# Altium PCB PCB1.PcbDoc (part 1 of 2) (continued)
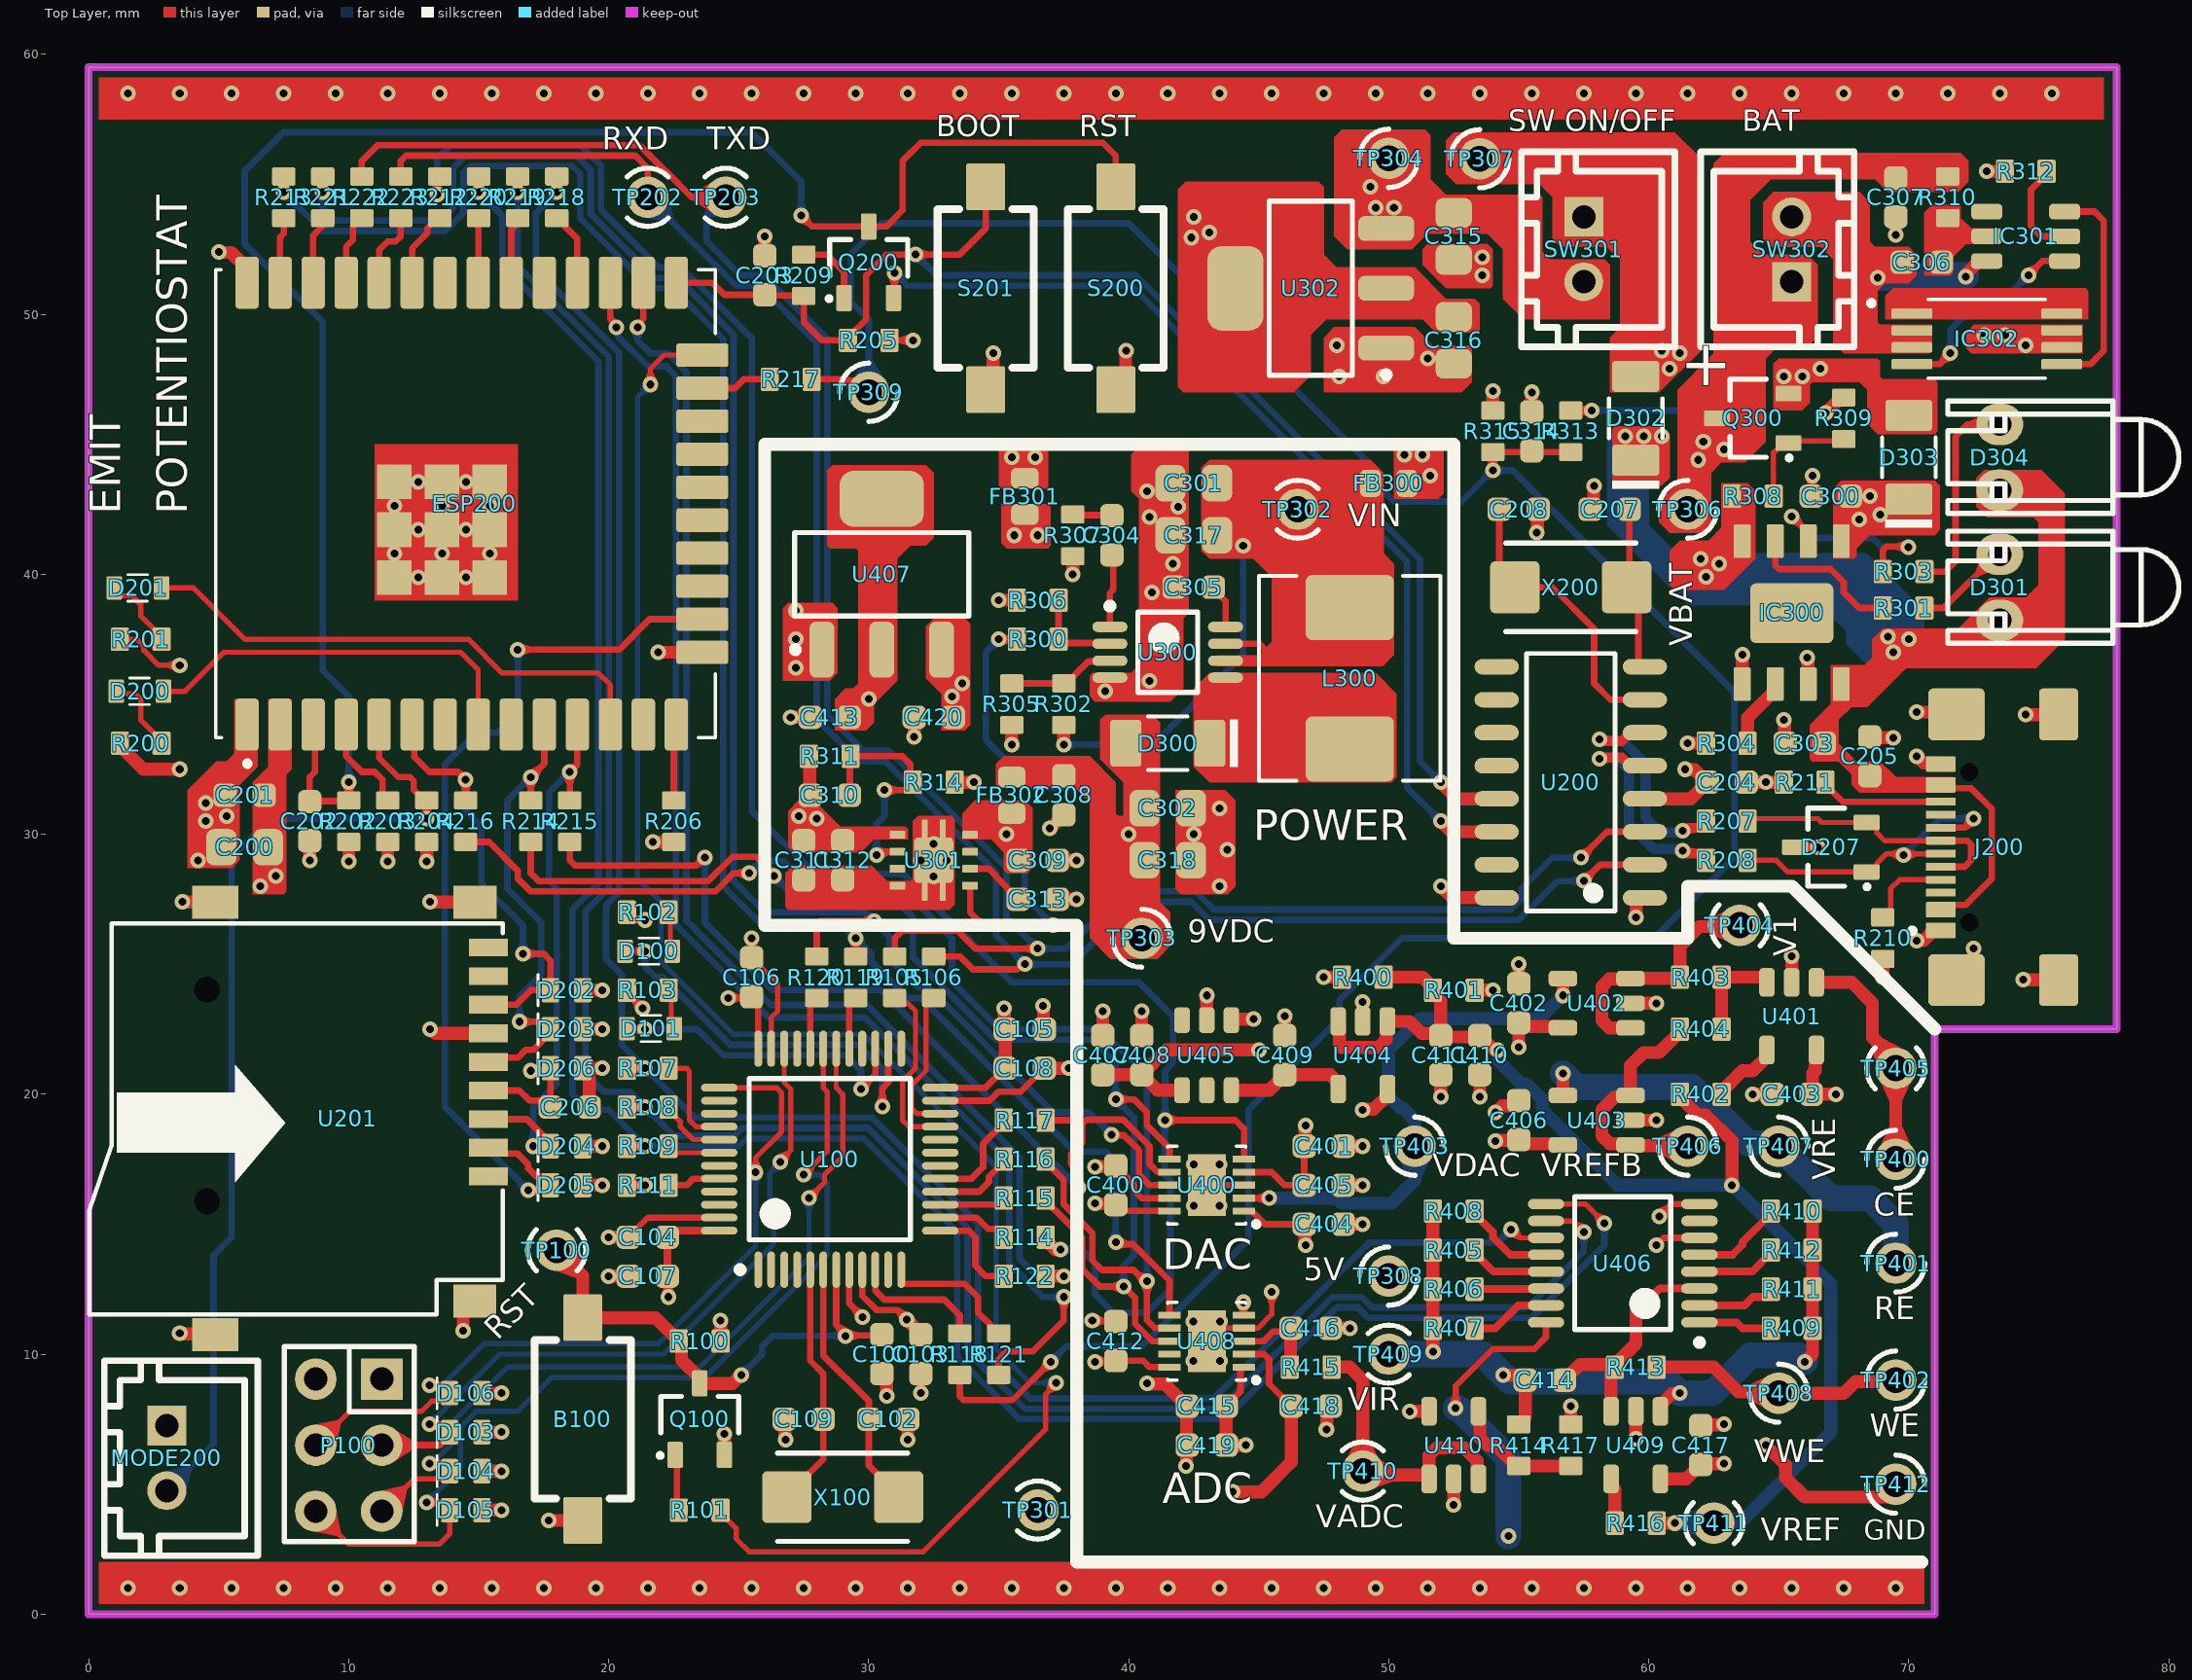
[diagram p0: Top Layer view]
## Classes and differential pairs
component class MCU: B100 C100 C102 C103 C104 C105 C106 C107 C108 C109 D100 D101 D103 D104 D105 D106 P100 Q100 R100 R101 R102 R103 R105 R106 R107 R108 R109 R111 R114 R115 R116 R117 R118 R119 R120 R121 R122 TP100 U100 X100
differential pair class 90Ohm: D
net class PWR: 5VDC 9VDC NetC301_2 NetC309_2 NetD302_2 USB_VIN VBAT VDD_3V3 VIN_DC
component class "POWER SUPPLY": C300 C301 C302 C303 C304 C305 C306 C307 C308 C309 C310 C311 C312 C313 C314 C315 C316 C317 C318 D300 D301 D302 D303 D304 FB300 FB301 FB302 IC300 IC301 IC302 L300 Q300 R300 R301 R302 R303 R304 R305 R306 R307 R308 R309 R310 R311 R312 R313 R314 R315 S300 SW301 SW302 TP301 TP302 TP303 TP304 TP306 TP307 TP308 TP309 U300 U301 U302
component class ESP32: C200 C201 C202 C203 C204 C205 C206 C207 C208 D200 D201 D202 D203 D204 D205 D206 D207 ESP200 J200 MODE200 Q200 R200 R201 R202 R203 R204 R205 R206 R207 R208 R209 R210 R211 R212 R213 R214 R215 R216 R217 R218 R219 R220 R221 R222 R223 S200 S201 TP202 TP203 U200 U201 X200 XT200
component class ANALOG: AGND C400 C401 C402 C403 C404 C405 C406 C407 C408 C409 C410 C411 C412 C413 C414 C415 C416 C417 C418 C419 C420 R400 R401 R402 R403 R404 R405 R406 R407 R408 R409 R410 R411 R412 R413 R414 R415 R416 R417 TP400 TP401 TP402 TP403 TP404 TP405 TP406 TP407 TP408 TP409 TP410 TP411 U400 U401 U402 U403 U404 U405 U406 U407 U408 U409 U410
differential pair D: +D_P -D_N

## Components (designator, comment, footprint, x,y, rotation, side; value= is the part's Value field where it differs from the comment)
B100 "Button 3x4x2.5" BUTTON_2P_SMD 19,7.5 r90 top
C100 "100nF" CAP0603-M 30.5,10 r90 top
C102 "18pF" CAP0603-M 30.75,7.5 r180 top
C103 "10uF" CAP0603-M 32,10 r90 top
C104 "100nF" CAP0603-M 21.5,14.5 r0 top
C105 "100nF" CAP0603-M 36,22.5 r180 top
C106 "100nF" CAP0603-M 25.5,24.5 r270 top
C107 "100nF" CAP0603-M 21.5,13 r0 top
C108 "100nF" CAP0603-M 36,21 r180 top
C109 "18pF" CAP0603-M 27.5,7.5 r0 top
C200 "10uF" C0805 6,29.5 r0 top
C201 "100nF" CAP0603-M 6,31.5 r0 top
C202 "100nF" CAP0603-M 8.5,30.5 r90 top
C203 "100nF" CAP0603-M 26,51.5 r270 top
C204 "100nF" CAP0603-M 63,32 r180 top
C205 "100nF" CAP0603-M 68.5,33 r270 top
C206 "100nF" CAP0603-M 18.5,19.5 r180 top
C207 "18pF" CAP0603-M 58.5,42.5 r180 top
C208 "18pF" CAP0603-M 55,42.5 r0 top
C300 "100nF" CAP0603-M 67,43 r0 top
C301 "10uF" C0805 42.5,43.5 r0 top
C302 "10uF" C0805 41.5,31 r180 top
C303 "100nF" CAP0603-M 66,33.5 r180 top
C304 "10nF" CAP0603-M 39.35,41.5 r270 top
C305 "22nF" CAP0603-M 42.5,39.5 r0 top
C306 "100nF" CAP0603-M 70.5,52 r0 top
C307 "10uF" CAP0603-M 69.5,54.5 r90 top
C308 "10uF" CAP0603-M 37.5,31.5 r90 top
C309 "10uF" CAP0603-M 36.5,29 r180 top
C310 "10uF" CAP0603-M 28.5,31.5 r180 top
C311 "10uF" CAP0603-M 27.5,29 r90 top
C312 "10uF" CAP0603-M 29,29 r90 top
C313 "10uF" CAP0603-M 36.5,27.5 r180 top
C314 "100nF" CAP0603-M 55.5,45.5 r270 top
C315 "10uF" C0805 52.5,53 r90 top
C316 "10uF" C0805 52.5,49 r90 top
C317 "10uF" C0805 42.5,41.5 r0 top
C318 "10uF" C0805 41.5,29 r180 top
C400 "100nF" CAP0603-M 39.5,16.5 r270 top
C401 "100nF" CAP0603-M 47.5,18 r180 top
C402 "100nF" CAP0603-M 55,23.5 r270 top
C403 "100nF" CAP0603-M 65.5,20 r0 top
C404 "10uF" CAP0603-M 47.5,15 r180 top
C405 "100nF" CAP0603-M 47.5,16.5 r180 top
C406 "100nF" CAP0603-M 55,19 r270 top
C407 "10uF" CAP0603-M 39,21.5 r270 top
C408 "100nF" CAP0603-M 40.5,21.5 r270 top
C409 "100nF" CAP0603-M 46,21.5 r270 top
C410 "10uF" CAP0603-M 53.5,21.5 r90 top
C411 "100nF" CAP0603-M 52,21.5 r90 top
C412 "100nF" CAP0603-M 39.5,10.5 r270 top
C413 "100nF" CAP0603-M 28.5,34.5 r0 top
C414 "100nF" CAP0603-M 56,9 r180 top
C415 "100nF" CAP0603-M 43,8 r0 top
C416 "100nF" CAP0603-M 47,11 r180 top
C417 "100nF" CAP0603-M 62,6.5 r270 top
C418 "100nF" CAP0603-M 47,8 r180 top
C419 "10uF" CAP0603-M 43,6.5 r0 top
C420 "100nF" CAP0603-M 32.5,34.5 r0 top
D100 "RED" LED-0603-Red 21.5,25.5 r180 top
D101 "GREEN" LED-0603-Green 21.5,22.5 r180 top
D103 "ESDAXLC6-1BU2" 2-UDFN 14.5,7 r0 top
D104 "ESDAXLC6-1BU2" 2-UDFN 14.5,5.5 r0 top
D105 "ESDAXLC6-1BU2" 2-UDFN 14.5,4 r0 top
D106 "ESDAXLC6-1BU2" 2-UDFN 14.5,8.5 r0 top
D200 "RED" LED-0603-Red 2,35.5 r0 top
D201 "GREEN" LED-0603-Green 2,39.5 r0 top
D202 "ESDAXLC6-1BU2" 2-UDFN 18.378,24 r0 top
D203 "ESDAXLC6-1BU2" 2-UDFN 18.378,22.5 r0 top
D204 "ESDAXLC6-1BU2" 2-UDFN 18.378,18 r0 top
D205 "ESDAXLC6-1BU2" 2-UDFN 18.378,16.5 r0 top
D206 "ESDAXLC6-1BU2" 2-UDFN 18.378,21 r0 top
D207 "DESD2CAN2SOQ-7" SOT23-3 67,29.5 r180 top
D300 "SS26" SOD123F 41.5,33.5 r0 top
D301 "GREEN" "LED RIGHT" 73.5,39.5 r90 top
D302 "SS36FA" SOD123F 59.5,46 r270 top
D303 "SS36FA" SOD123F 70,44.5 r270 top
D304 "RED" "LED RIGHT" 73.5,44.5 r90 top
ESP200 "Wroom 32D" ESP32_UE 8,42.5 r90 top
FB300 "FerriteBead 220Ohms @100MHz 0201" INDC1608X80N 50,43.5 r180 top
FB301 "FerriteBead 220Ohms @100MHz 0201" INDC1608X80N 36,43 r270 top
FB302 "FerriteBead 220Ohms @100MHz 0201" INDC1608X80N 35.5,31.5 r270 top
IC300 "TP4056" TP4056 65.5,38.525 r90 top
IC301 "DW01A" SOT23-6 74.5,53 r180 top
IC302 "FS8205A" FS8205A 73,49 r0 top
J200 "CONN RCP USB2.0 TYP C 24P SMD RA" USB_USB4110-GF-A 73.5,29.5 r270 top
L300 "FIXED IND 4.7UH 1.1A 288MOHM SMD" IND25X25CZ 48.5,36 r270 top
MODE200 "JP2" XH2.54 3,6 r270 top
P100 "Header6" "XH2.54 2X3" 10,6.5 r270 top
Q100 "MMBT4401" SOT23-3 23.5,7.5 r90 top
Q200 "MMBT4401" SOT23-3 30,52 r90 top
Q300 "AO3401A" SOT23-3 64,46 r180 top
R100 "10kR" R_0603 23.5,10.5 r180 top
R101 "1kR" R_0603 23.5,4 r0 top
R102 "1kR" R_0603 21.5,27 r180 top
R103 "1kR" R_0603 21.5,24 r180 top
R105 "10R" R_0603 31,24.5 r270 top
R106 "10R" R_0603 32.5,24.5 r270 top
R107 "10R" R_0603 21.5,21 r0 top
R108 "10R" R_0603 21.5,19.5 r0 top
R109 "10R" R_0603 21.5,18 r0 top
R111 "10kR" R_0603 21.5,16.5 r180 top
R114 "10R" R_0603 36,14.5 r180 top
R115 "10R" R_0603 36,16 r180 top
R116 "10R" R_0603 36,17.5 r180 top
R117 "10R" R_0603 36,19 r180 top
R118 "10R" R_0603 33.5,10 r90 top
R119 "10R" R_0603 29.5,24.5 r270 top
R120 "10R" R_0603 28,24.5 r270 top
R121 "10R" R_0603 35,10 r90 top
R122 "10R" R_0603 36,13 r180 top
R200 "1kR" R_0603 2,33.5 r180 top
R201 "1kR" R_0603 2,37.5 r180 top
R202 "10kR" R_0603 10,30.5 r270 top
R203 "10kR" R_0603 11.5,30.5 r270 top
R204 "10kR" R_0603 13,30.5 r270 top
R205 "10kR" R_0603 30,49 r0 top
R206 "10kR" R_0603 22.5,30.5 r270 top
R207 "10R" R_0603 63,30.5 r0 top
R208 "10R" R_0603 63,29 r0 top
R209 "1kR" R_0603 27.5,51.5 r90 top
R210 "5.1kR" R_0603 69,26 r90 top
R211 "5.1kR" R_0603 66,32 r0 top
R212 "10R" R_0603 13.5,54.5 r90 top
R213 "10R" R_0603 7.5,54.5 r90 top
R214 "10R" R_0603 17,30.5 r270 top
R215 "10R" R_0603 18.5,30.5 r270 top
R216 "10R" R_0603 14.5,30.5 r270 top
R217 "10R" R_0603 27,47.5 r0 top
R218 "10R" R_0603 18,54.5 r90 top
R219 "10R" R_0603 16.5,54.5 r90 top
R220 "10R" R_0603 15,54.5 r90 top
R221 "10R" R_0603 9,54.5 r90 top
R222 "10R" R_0603 10.5,54.5 r270 top
R223 "10R" R_0603 12,54.5 r270 top
R300 "61.9kR" R_0603 36.5,37.5 r180 top
R301 "1kR" R_0603 69.8,38.7 r0 top
R302 "100kR" R_0603 37.5,35 r270 top
R303 "1kR" R_0603 69.8,40.1 r0 top
R304 "1kR" R_0603 63,33.5 r0 top
R305 "133kR" R_0603 35.5,35 r90 top
R306 "10kR" R_0603 36.5,39 r0 top
R307 "10kR" R_0603 37.85,41.5 r90 top
R308 "1kR" R_0603 64,43 r180 top
R309 "10kR" R_0603 67.5,46 r90 top
R310 "10R" R_0603 71.5,54.5 r90 top
R311 "32.4kR" R_0603 28.5,33 r180 top
R312 "1kR" R_0603 74.5,55.5 r180 top
R313 "10k" R_0603 57,45.5 r270 top
R314 "10kR" R_0603 32.5,32 r180 top
R315 "100kR" R_0603 54,45.5 r90 top
R400 "10kR" R_0603 49,24.5 r180 top
R401 "10kR" R_0603 52.5,24 r0 top
R402 "10R" R_0603 62,20 r0 top
R403 "10kR" R_0603 62,24.5 r180 top
R404 "10kR" R_0603 62,22.5 r180 top
R405 "RES 11.3K OHM 1% 1/20W 0201" R_0603 52.5,14 r180 top
R406 "RES 11.3K OHM 1% 1/20W 0201" R_0603 52.5,12.5 r180 top
R407 "RES 11.3K OHM 1% 1/20W 0201" R_0603 52.5,11 r180 top
R408 "RES 11.3K OHM 1% 1/20W 0201" R_0603 52.5,15.5 r180 top
R409 "RES 11.3K OHM 1% 1/20W 0201" R_0603 65.5,11 r0 top
R410 "RES 11.3K OHM 1% 1/20W 0201" R_0603 65.5,15.5 r0 top
R411 "RES 11.3K OHM 1% 1/20W 0201" R_0603 65.5,12.5 r0 top
R412 "RES 11.3K OHM 1% 1/20W 0201" R_0603 65.5,14 r0 top
R413 "10R" R_0603 59.5,9.5 r0 top
R414 "10kR" R_0603 55,6.5 r270 top
R415 "1kR" R_0603 47,9.5 r180 top
R416 "10R" R_0603 59.5,3.5 r0 top
R417 "10kR" R_0603 57,6.5 r90 top
S200 "SW" BUTTON_2P_SMD 39.5,51 r270 top
S201 "SW" BUTTON_2P_SMD 34.5,51 r270 top
SW301 "SWITCH ON/OFF" XH2.54 57.5,52.5 r270 top
SW302 "SWITCH ON/OFF" XH2.54 65.5,52.5 r90 top
TP100 "RST" TPH 18,14 r225 top
TP202 "RXD" TPH 21.5,54.5 r135 top
TP203 "TXD" TPH 24.5,54.5 r135 top
TP301 "3V3" TPH 36.5,4 r315 top
TP302 "VIN" TPH 46.5,42.5 r135 top
TP303 "9VDC" TPH 40.5,26 r90 top
TP304 "SIREN_EN" TPH 50,56 r180 top
TP306 "VBAT" TPH 61.5,42.5 r180 top
TP307 "SIREN_EN" TPH 53.497,55.985 r180 top
TP308 "5V" TPH 50,13 r180 top
TP309 "SIREN_EN" TPH 30,47 r180 top
TP400 "CE" TPH 69.5,17.5 r0 top
TP401 "RE" TPH 69.5,13.5 r0 top
TP402 "WE" TPH 69.5,9 r0 top
TP403 "VDAC" TPH 51,18 r90 top
TP404 "V1" TPH 63.5,26.5 r45 top
TP405 "VCE" TPH 69.5,21 r225 top
TP406 "VREFB" TPH 61.5,18 r270 top
TP407 "VRE" TPH 65,18 r270 top
TP408 "VWE" TPH 65,8.5 r90 top
TP409 "VIR" TPH 50,10 r135 top
TP410 "VADC" TPH 49,5.5 r135 top
TP411 "VREF" TPH 62.5,3.5 r225 top
TP412 "GND" TPH 69.5,5 r90 top
U100 "STM32F103C8T6" LQFP48 28.5,17.5 r90 top
U200 "CH340G" SOIC-16 57,32 r180 top
U201 "SD_CARD" MICROSD2 10,19 r90 top
U300 "MP1542" TSOP65P490X95-8N 41.5,37 r0 top
U301 "TPS7A4901DRBT" IC_DRV8601DRBT 32.5,29 r0 top
U302 "LM1117-3.3" SOT223-4 47,51 r180 top
U400 "AD5541ABCPZ-REEL7" SON50P300X300X80-11N 43,16.5 r180 top
U401 "AD8605" SOT95P280X145-5N 65.5,23 r270 top
U402 "AD8605" SOT95P280X145-5N 58,23.5 r180 top
U403 "AD8605" SOT95P280X145-5N 58,19 r180 top
U404 "AD8605" SOT95P280X145-5N 49,21.5 r270 top
U405 "LT6654AIS6-2.5#TRMPBF" SOT95P280X145-6N 43,21.5 r270 top
U406 "MAX4617CUE+T" TSOP65P640X110-16N 59,13.5 r180 top
U407 "LM1117-3.3" SOT223-4 30.5,40 r90 top
U408 "AD4008BCPZ-RL7" SON50P300X300X80-11N 43,10.5 r180 top
U409 "AD8605" SOT95P280X145-5N 59.5,6.5 r270 top
U410 "AD8605" SOT95P280X145-5N 52.5,6.5 r90 top
X100 "WTL5G60391VH" XTAL_SMD_3P5 29,4.5 r0 top
X200 "WTL5G60391VH" XTAL_SMD_3P5 57,39.5 r180 top

## Footprints (in the part's own frame and the unit in brackets; to place one, negate y for a bottom-side part, rotate by r counter-clockwise, add the part's x,y. Pads: shape width x height; smd on the part's side, far side on the other; paste and mask are expansions set on the pad)
2-UDFN [mil]
  rrect20% 26x37 smd paste+0 mask+1.97: 1(-24.5,0) 2(24.5,0)
  silkscreen extent -43,-24 -43,24, body extent -33,-21 33,21, height 22
BUTTON_2P_SMD [mm]
  rrect10% 1.8x1.5 smd mask+0.05: 1(-3.9,0) 2(3.9,0)
  silkscreen extent -3.05,-1.85 3.05,1.85, body extent -4.07,-1.67 3.93,1.83, height 4.2
C0805 [mm] "Chip Capacitor, 2-Leads, Body 2.00x1.25mm, IPC Medium Density"
  rrect50% 1.15x1.4 smd mask+0.05: 1(-0.9,0) 2(0.9,0)
  body extent -1,-0.62 1,0.63, height 0.9
CAP0603-M [mm] "CAP CER 0603 ( 1608 Metric )  / https://content.kemet.com/datasheets/KEM_C1006_X5R_SMD.pdf"
  rrect50% 0.9x0.9 smd mask+0.05: 1(-0.75,0) 2(0.75,0)
  body extent -0.8,-0.4 0.8,0.4, height 0.8
ESP32_UE [mm]
  rrect30% 2x0.9 smd mask+0.05: 1(-8.285,1.91) 2(-8.285,0.64) 3(-8.285,-0.63) 4(-8.285,-1.9) 5(-8.285,-3.17) 6(-8.285,-4.44) 7(-8.285,-5.71) 8(-8.285,-6.98) 9(-8.285,-8.25) 10(-8.285,-9.52) 11(-8.285,-10.79) 12(-8.285,-12.06) 13(-8.285,-13.33) 14(-8.285,-14.6) 25(8.715,-14.6) 26(8.715,-13.33) 27(8.715,-12.06) 28(8.715,-10.79) 29(8.715,-9.52) 30(8.715,-8.25) 31(8.715,-6.98) 32(8.715,-5.71) 33(8.715,-4.44) 34(8.715,-3.17) 35(8.715,-1.9) 36(8.715,-0.63) 37(8.715,0.64) 38(8.715,1.91)
  rrect20% 0.9x2 smd mask+0.05: 15(-5.5,-15.6) 16(-4.23,-15.6) 17(-2.96,-15.6) 18(-1.69,-15.6) 19(-0.42,-15.6) 20(0.85,-15.6) 21(2.12,-15.6) 22(3.39,-15.6) 23(4.66,-15.6) 24(5.93,-15.6)
  rect 1.33x1.33 smd mask+0.05: 39(-2.62,-5.59) 39(-2.62,-3.755) 39(-2.62,-7.425) 39(-0.785,-3.755) 39(-0.785,-5.59) 39(-0.785,-7.425) 39(1.05,-3.755) 39(1.05,-5.59) 39(1.05,-7.425)
  round 0.6 hole 0.3: ""(-2.62,-4.673) ""(-2.62,-6.507) ""(-1.702,-7.425) ""(-1.702,-5.59) ""(-1.702,-3.755) ""(-0.785,-6.508) ""(-0.785,-4.673) ""(0.133,-3.755) ""(0.133,-5.59) ""(0.133,-7.425) ""(1.05,-6.507) ""(1.05,-4.672)
  silkscreen extent -9.88,-16.1 9.22,3.11, body extent -8.79,-16.1 9.21,3.1, height 3.35
FS8205A [mm]
  rrect25% 1.56x0.4 smd mask+0.05: 1(-2.88,1.031) 2(-2.88,0.381) 3(-2.88,-0.269) 4(-2.88,-0.919) 5(2.88,-0.919) 6(2.88,-0.269) 7(2.88,0.381) 8(2.88,1.031)
  silkscreen extent -4.54,-1.46 2.25,1.57, body extent -3.2,-1.4 3.2,1.53, height 1.2
IC_DRV8601DRBT [mm]
  rrect20% 0.6x0.3 smd mask+0.05: 1(-1.4,0.975) 2(-1.4,0.325) 3(-1.4,-0.325) 4(-1.4,-0.975) 5(1.4,-0.975) 6(1.4,-0.325) 7(1.4,0.325) 8(1.4,0.975)
  rrect20% 1.5x1.75 smd paste-2 mask+0.05: 9(0,0)
  rrect20% 0.23x0.725 smd mask+0.05: 10(-0.35,1.2) 11(0.35,1.2) 12(0.35,-1.2) 13(-0.35,-1.2)
  body extent -1.5,-1.5 1.5,1.5, height 1
IND25X25CZ [mm]
  rrect20% 2.5x3.4 smd mask+0.05: 1(-2.718,0) 2(2.718,0)
  silkscreen extent -3.94,-3.49 3.94,3.49, body extent -3.81,-3.37 3.81,3.37, height 3
INDC1608X80N [mm]
  rrect50% 0.8x1.05 smd mask+0.05: 1(-0.7,0) 2(0.7,0)
  body extent -0.8,-0.48 0.8,0.47, height 0.81
"LED RIGHT" [mm]
  oval 1.6x1.8 hole 0.9: 1(-1.27,0) 2(1.27,0)
  silkscreen extent -2.16,-6.89 2.16,2, body extent -2.16,-6.89 2.16,2, height 7.45
LED-0603-Green [mm]
  rrect20% 0.6x0.9 smd mask+0.05: 1(-1.016,-0.025) 2(0.8,-0.025)
  silkscreen extent -0.51,-0.53 0.25,0.48, body extent -1.11,-0.65 0.91,0.6, height 1.1
LED-0603-Red [mm]
  rrect20% 0.6x0.9 smd mask+0.05: 1(-0.94,0) 2(0.876,0)
  silkscreen extent -0.43,-0.51 0.33,0.51, body extent -1.11,-0.62 0.91,0.63, height 1.1
LQFP48 [mm] "LQFP48_0P5x8P5"
  oval 1.4x0.3 smd mask+0.05: 1(-4.25,2.75) 2(-4.25,2.25) 3(-4.25,1.75) 4(-4.25,1.25) 5(-4.25,0.75) 6(-4.25,0.25) 7(-4.25,-0.25) 8(-4.25,-0.75) 9(-4.25,-1.25) 10(-4.25,-1.75) 11(-4.25,-2.25) 12(-4.25,-2.75) 25(4.25,-2.75) 26(4.25,-2.25) 27(4.25,-1.75) 28(4.25,-1.25) 29(4.25,-0.75) 30(4.25,-0.25) 31(4.25,0.25) 32(4.25,0.75) 33(4.25,1.25) 34(4.25,1.75) 35(4.25,2.25) 36(4.25,2.75)
  oval 0.3x1.4 smd mask+0.05: 13(-2.75,-4.25) 14(-2.25,-4.25) 15(-1.75,-4.25) 16(-1.25,-4.25) 17(-0.75,-4.25) 18(-0.25,-4.25) 19(0.25,-4.25) 20(0.75,-4.25) 21(1.25,-4.25) 22(1.75,-4.25) 23(2.25,-4.25) 24(2.75,-4.25) 37(2.75,4.25) 38(2.25,4.25) 39(1.75,4.25) 40(1.25,4.25) 41(0.75,4.25) 42(0.25,4.25) 43(-0.25,4.25) 44(-0.75,4.25) 45(-1.25,4.25) 46(-1.75,4.25) 47(-2.25,4.25) 48(-2.75,4.25)
  silkscreen extent -4.37,-3.1 3.1,3.57, body extent -4.5,-4.5 4.5,4.5, height 1.6
MICROSD2 [mil]
  rect 27x59.06 smd mask+1.97: 1(-85,-211.7) 2(-41.69,-211.7) 3(1.61,-211.7) 4(44.92,-211.7) 5(88.23,-211.7) 6(131.54,-211.7) 7(174.84,-211.7) 8(218.15,-211.7) 9(261.46,-211.7)
  rect 50x65 smd mask+1.97: 10(330,-191.3) 13(-274,-191)
  rect 50x70 smd mask+1.97: 11(330,202) 12(-325,202)
  round 0 hole 39.37 mask+1.97: ""(-123,214.7) ""(198,214.7)
  silkscreen extent -294,-233 298,393, body extent -315,-230 319,447, height 107
R_0603 [mm] "Resistor 0603"
  rrect20% 0.7x0.9 smd mask+0.05: 1(-0.8,0) 2(0.8,0)
  body extent -0.85,-0.4 0.85,0.4, height 0.56
SOD123F [mm]
  rrect20% 1.2x1.8 smd paste+0 mask+0.05: 1(1.613,0) 2(-1.613,0)
  silkscreen extent -0.76,-1.03 2.7,1.03, body extent -1.96,-0.9 1.96,0.9, height 0.82
SOIC-16 [mm]
  oval 1.7x0.6 smd mask+0.05: 1(-2.85,4.445) 2(-2.85,3.175) 3(-2.85,1.905) 4(-2.85,0.635) 5(-2.85,-0.635) 6(-2.85,-1.905) 7(-2.85,-3.175) 8(-2.85,-4.445) 9(2.85,-4.445) 10(2.85,-3.175) 11(2.85,-1.905) 12(2.85,-0.635) 13(2.85,0.635) 14(2.85,1.905) 15(2.85,3.175) 16(2.85,4.445)
  silkscreen extent -1.7,-4.95 1.7,4.95, body extent -3.1,-4.95 3.1,4.95, height 1.7
SON50P300X300X80-11N [mm]
  rect 0.86x0.27 smd mask+0.05: 1(-1.435,1) 2(-1.435,0.5) 3(-1.435,0) 4(-1.435,-0.5) 5(-1.435,-1) 6(1.435,-1) 7(1.435,-0.5) 8(1.435,0) 9(1.435,0.5) 10(1.435,1)
  rect 1.46x2.38 smd paste-2 mask+0.05: 11(0,0)
  silkscreen extent -2,-1.5 1.5,1.6, body extent -1.5,-1.5 1.5,1.5, height 0.85
SOT23-3 [mm]
  rrect20% 1x0.6 smd mask+0.05: 1(-1.375,0.95) 2(-1.375,-0.95) 3(1.375,0)
  silkscreen extent -1.47,-1.5 0.88,1.59, body extent -1.25,-1.5 1.25,1.5, height 1.06
SOT23-6 [mm]
  rrect50% 1.2x0.6 smd mask+0.05: 1(-1.5,0.95) 2(-1.5,0) 3(-1.5,-0.95) 4(1.5,-0.95) 5(1.5,0) 6(1.5,0.95)
  body extent -1.5,-1.5 1.5,1.5, height 1.45
SOT95P280X145-5N [mm]
  rrect50% 1.1x0.6 smd mask+0.05: 1(-1.3,0.95) 2(-1.3,0) 3(-1.3,-0.95) 4(1.3,-0.95) 5(1.3,0.95)
  body extent -1.5,-1.53 1.5,1.53, height 1.45
SOT95P280X145-6N [mm]
  rrect50% 1x0.6 smd mask+0.05: 1(-1.35,0.95) 2(-1.35,0) 3(-1.35,-0.95) 4(1.35,-0.95) 5(1.35,0) 6(1.35,0.95)
  body extent -1.5,-1.5 1.5,1.5, height 1.45
SOT223-4 [mm]
  rrect50% 2.15x0.95 smd mask+0.05: 1(-2.9,2.3) 2(-2.9,0) 3(-2.9,-2.3)
  rrect50% 2.15x3.25 smd mask+0.05: 4(2.9,0)
  silkscreen extent -3.03,-3.35 1.6,3.45, body extent -3.5,-3.35 3.5,3.35, height 1.8
TP4056 [mm]
  rrect20% 1.3x0.65 smd mask+0.05: 1(-2.75,1.905) 2(-2.75,0.635) 3(-2.75,-0.635) 4(-2.75,-1.905) 5(2.75,-1.905) 6(2.75,-0.635) 7(2.75,0.635) 8(2.75,1.905)
  rrect20% 2.3x3.2 smd mask+0.05: GND(-0.025,0)
  body extent -3.03,-2.45 2.97,2.45, height 1.75
TPH [mm]
  round 1.6 hole 1: 1(0,0)
  silkscreen extent -1.12,-1.12 1.12,1.12
TSOP65P490X95-8N [mm] "TSOP, 8-Leads, Body 3.00x3.00mm, Pitch 0.65mm, IPC Medium Density"
  oval 1.35x0.4 smd mask+0.05: 1(-2.225,0.975) 2(-2.225,0.325) 3(-2.225,-0.325) 4(-2.225,-0.975) 5(2.225,-0.975) 6(2.225,-0.325) 7(2.225,0.325) 8(2.225,0.975)
  silkscreen extent -2.35,-1.55 1.15,1.9, body extent -2.45,-1.5 2.45,1.5, height 1.1
TSOP65P640X110-16N [mm] "TSOP, 16-Leads, Body 5.00x4.40mm, Pitch 0.65mm, IPC Medium Density"
  oval 1.4x0.4 smd mask+0.05: 1(-2.95,2.275) 2(-2.95,1.625) 3(-2.95,0.975) 4(-2.95,0.325) 5(-2.95,-0.325) 6(-2.95,-0.975) 7(-2.95,-1.625) 8(-2.95,-2.275) 9(2.95,-2.275) 10(2.95,-1.625) 11(2.95,-0.975) 12(2.95,-0.325) 13(2.95,0.325) 14(2.95,0.975) 15(2.95,1.625) 16(2.95,2.275)
  silkscreen extent -3.07,-2.55 1.85,3.17, body extent -3.2,-2.55 3.2,2.55, height 1.1
USB_USB4110-GF-A [mm] "USB Type C 2.0 Conn Rec Mid-Mount One Ro"
  rrect20% 0.6x1.15 smd mask+0.05: A1B12(3.2,-2.265) A4B9(2.4,-2.265) A9B4(-2.4,-2.265) A12B1(-3.2,-2.265)
  rrect20% 0.3x1.15 smd mask+0.05: A5(1.25,-2.265) A6(0.25,-2.265) A7(-0.25,-2.265) A8(-1.25,-2.265) B5(-1.75,-2.265) B6(-0.75,-2.265) B7(0.75,-2.265) B8(1.75,-2.265)
  rrect20% 2x2.18 smd mask+0.05: S1(5.11,-1.665) S2(-5.11,-1.665)
  rrect20% 2x1.5 smd mask+0.05: S3(5.11,2.265) S4(-5.11,2.265)
  round 0 hole 0.7 unplated mask+0.05: ""(-2.89,-1.165) ""(2.89,-1.165)
  silkscreen extent 3.11,-3.46 3.31,-3.26, body extent -5.65,-2.56 5.65,5.14, height 3.23
XH2.54 [mm]
  rect 1.524x1.5 hole 0.9: 1(-1.25,0)
  round 1.5 hole 0.9: 2(1.25,0)
  silkscreen extent -3.75,-2.4 3.75,3.5, body extent -3.61,-2.49 3.61,3.35, height 7.21
"XH2.54 2X3" [mm]
  rect 1.6x1.6 hole 0.9 mask+0.05: 1(-2.54,1.27)
  round 1.6 hole 0.9 mask+0.05: 2(-2.54,-1.27) 3(0,1.27) 4(0,-1.27) 5(2.54,1.27) 6(2.54,-1.27)
  silkscreen extent -3.79,-2.48 3.71,2.52
XTAL_SMD_3P5 [mm] "8mhz, 16mhz, XTAL_SMD_5P0X3P5"
  rrect20% 1.9x2 smd mask+0.05: 1(-2.15,0) 2(2.15,0)
  silkscreen extent -2.5,-1.7 2.5,1.7, body extent -2.5,-1.65 2.5,1.65, height 1.3

## Part data
C100 C104 C105 C106 C107 C108 C202 C203 C204 C205 C206 C300 C303 C306 C314: library part CapSMD, "CAP CER 100nF 16V X5R 0603"
C102 C109: library part Cap_Cer_0603_18pF, "CAP CER 18PF 50V C0G/NP0 0603", Manufacturer="Murata Electronics"
C103 C200 C307: library part CapSMD, "CAP CER 10UF 16V X5R 0603"
C201: library part S1200-000091, "CAP CER 100nF 16V X5R 0603", Manufacturer=MURATA
C207 C208: library part CapSMD, "CAP CER 18PF 50V C0G/NP0 0603"
C301 C302 C317 C318: library part CAP_10uF_0402, "CAP CER 10UF 16V X5R 0805", Manufacturer 1=Samsung, Manufacturer 2=Murata, Manufacturer Part Number 1=CL05A106MP8NUB8, Manufacturer Part Number 2=GRM155R61A106ME11D, Capacitance=10uF, Revision=2
C304: library part CAP_10nF_0402
C305: library part CAP_10nF_0402, "CAP CER  22nF 50V C0G/NP0 0603"
C308 C407: library part CAP_10uF_0402, "CAP CER 10UF 16V X5R 0603", Capacitance=1uF, Manufacturer 1=Samsung, Manufacturer 2=Murata, Manufacturer Part Number 1=CL05A106MP8NUB8, Manufacturer Part Number 2=GRM155R61A106ME11D, Revision=2
C309 C311 C404 C410 C419: library part CAP_10uF_0402, "CAP CER 10UF 16V X5R 0603", Manufacturer 1=Samsung, Manufacturer 2=Murata, Manufacturer Part Number 1=CL05A106MP8NUB8, Manufacturer Part Number 2=GRM155R61A106ME11D, Capacitance=10uF, Revision=2
C310 C312 C313: library part CAP_10nF_0201, "CAP CER 10UF 16V X5R 0603", Capacitance=10nF, Manufacturer 1="Taiyo Yuden", Manufacturer 2=Murata, Manufacturer Part Number 1=TMK063BJ103KP-F, Manufacturer Part Number 2=GRM033R61A103KA01D
C315 C316: library part S1200-000091, "CAP CER 10UF 16V X5R 0603", Manufacturer=MURATA
C400 C401 C402 C403 C405 C406 C408 C409 C411 C412 C413 C414 C415 C416 C417 C418 C420: library part CAP_10uF_0402, "CAP CER 100nF 16V X5R 0603", Manufacturer 1=Samsung, Manufacturer 2=Murata, Manufacturer Part Number 1=CL05A106MP8NUB8, Manufacturer Part Number 2=GRM155R61A106ME11D, Capacitance=100nF, Revision=2
D100 D200 D304: library part LED_3, "LED RED"
D101 D201 D301: library part LED_1, "LED GREEN"
D103 D104 D105 D106 D202 D203 D204 D205 D206: "TVS DIODE 3VWM 17VC ST0201", Capacitance=0.5pF, Manufacturer=STMicroelectronics, Manufacturer 1=STMicroelectronics, Manufacturer Part Number=ESDAXLC6-1BU2, Manufacturer Part Number 1=ESDAXLC6-1BU2
D207: library part NUP2105, "TVS DIODE 24VWM 41VC SOT23", Manufacturer=onsemi
D300: library part DF2S6.8MFS,L3M, "TVS Diode (Uni-directional)", Manufacturer_Name=SEMTECH
D302 D303: library part "DIODE_ZEN CBB", "DIODE ZENER 15V 410MW SOD123"
ESP200: library part ESP-WROOM-32
FB300 FB301 FB302: library part FerriteBead_220Ohm_0402, "220 Ohms @ 100 MHz 1 Power Line Ferrite Bead 0402 (1005 Metric) 1.5A 95mOhm", Manufacturer 1=TDK, Manufacturer 2=Murata, Manufacturer Part Number 1=MPZ1005S221HT000, Manufacturer Part Number 2=BLM15PX221SN1D
IC300: "Complete single cell Li-Ion battery with a constant current / constant voltage linear charger"
IC301: "One Cell Lithium-ion/Polymer Battery Protection IC"
J200: library part USB_TypeC_USB4110-GF-A, "Conn USB Type C RCP 16 POS 0.3mm/0.5mm Solder ST SMD 16 Terminal 1 Port T/R", Manufacturer 1="Global Connector Technology", Manufacturer Part Number 1=USB4110-GF-A
L300: library part DFE201610E-4R7M=P2, "4.7 µH Shielded Wirewound Inductor 1.1 A 288mOhm Max 0806 (2016 Metric)", Manufacturer 1=Murata, Manufacturer Part Number 1=DFE201610E-4R7M=P2
MODE200 SW301 SW302: library part Con2, "Connector 2"
P100: Manufacturer="W¨¹rth Elektronik eiSos GmbH"
Q100: library part NPN, "Transistor C1815, SOT23", Manufacturer="Fairchild Semiconductor"
Q200: library part C1815, "NPN 600mW, ECB"
Q300: library part P-MOSFET_TP1_CBB, "MOSFET P-CH 30V 4A SOT23-3L"
R100: library part "Resistor - SMD", "RES SMD 10K OHM 1% 1/8W 0603", Manufacturer="Generic Components"
R101 R209 R301 R303 R304 R308 R312: library part R, "RES SMD 1K OHM 1% 1/8W 0603", Manufacturer=Yageo
R102 R103 R200 R201: library part "Resistor - SMD", "RES SMD 1K OHM 1% 1/8W 0603", Manufacturer="Generic Components"
R105 R106 R107 R108 R109 R114 R115 R116 R117 R118 R119 R120 R121 R122 R207 R208 R212 R213 R214 R215 R216 R217 R218 R219 R220 R221 R222 R223: library part R, "RES SMD 10R OHM 1% 1/8W 0603", Manufacturer=Yageo
R111 R400 R401 R403 R404 R414 R417: library part RES_10K_0201, "RES SMD 10K OHM 1% 1/8W 0603", Manufacturer 1=Yageo, Manufacturer 2="Panasonic Electronic Components", Manufacturer Part Number 1=RC0201FR-0711K3L, Revision=1
R202 R203 R204 R205 R206 R309: library part R, "RES SMD 10K OHM 1% 1/8W 0603", Manufacturer=Yageo
R210 R211: library part R, "Resistor 1/4W", Manufacturer=Yageo
R300: library part RES_100K_0201, "RES SMD 61.9k OHM 1% 1/8W 0603", Manufacturer 1=Yageo, Manufacturer 2="Panasonic Electronic Components", Manufacturer Part Number 1=RC0201FR-07100KL, Manufacturer Part Number 2=ERJ-1GNF1003C, Revision=1
R302: library part RES_100K_0201, "RES SMD 100K OHM 1% 1/8W 0603", Manufacturer 1=Yageo, Manufacturer 2="Panasonic Electronic Components", Manufacturer Part Number 1=RC0201FR-07100KL, Manufacturer Part Number 2=ERJ-1GNF1003C, Revision=1
R305: library part RES_100K_0201, "RES SMD 133K OHM 1% 1/8W 0603", Manufacturer 1=Yageo, Manufacturer 2="Panasonic Electronic Components", Manufacturer Part Number 1=RC0201FR-07100KL, Manufacturer Part Number 2=ERJ-1GNF1003C, Revision=1
R306 R307: library part RES_100K_0201, "RES SMD 10K OHM 1% 1/8W 0603", Manufacturer 1=Yageo, Manufacturer 2="Panasonic Electronic Components", Manufacturer Part Number 1=RC0201FR-07100KL, Manufacturer Part Number 2=ERJ-1GNF1003C, Revision=1
R310: library part "Resistor - SMD", "RES SMD 10R OHM 1% 1/8W 0603", Manufacturer="Generic Components"
R311: library part RES_10K_0201, "RES SMD 32.4k OHM 1% 1/8W 0603", Manufacturer 1=Yageo, Manufacturer 2="Panasonic Electronic Components", Manufacturer Part Number 1=RC0201FR-0711K3L, Revision=1
R313: library part R, "RES SMD 10K OHM 1% 1/8W 0805", Manufacturer=Yageo
R314: library part RES_10K_0201, "RES SMD 10K OHM 1% 1/8W 0603", Manufacturer 1=Yageo, Manufacturer 2="Panasonic Electronic Components", Manufacturer Part Number 1=RC0201FR-0710KL, Manufacturer Part Number 2=ERJ-1GEF1002C, Revision=1
R315: library part R, "RES SMD 100K OHM 1% 1/8W 0603", Manufacturer=Yageo
R402 R413 R416: library part RES_10K_0201, "RES SMD 10R OHM 1% 1/8W 0603", Manufacturer 1=Yageo, Manufacturer 2="Panasonic Electronic Components", Manufacturer Part Number 1=RC0201FR-0711K3L, Revision=1
R405 R406 R407 R408 R409 R410 R411 R412: library part RES_10K_0201, "11.3kOhms ±1% 0.05W, 1/20W Chip Resistor 0201 (0603 Metric) Moisture Resistant Thick Film", Manufacturer 1=Yageo, Manufacturer 2="Panasonic Electronic Components", Manufacturer Part Number 1=RC0201FR-0711K3L, Revision=1
R415: library part RES_10K_0201, "RES SMD 1K OHM 1% 1/8W 0603", Manufacturer 1=Yageo, Manufacturer 2="Panasonic Electronic Components", Manufacturer Part Number 1=RC0201FR-0711K3L, Revision=1
S200 S201: library part SW2, "Switch button 2 pin"
TP100 TP202 TP203 TP301 TP302 TP303 TP304 TP306 TP307 TP308 TP309 TP400 TP401 TP402 TP403 TP404 TP405 TP406 TP407 TP408 TP409 TP410 TP411 TP412: library part S1400-000002, "Test_Point_1mm"
U100: "IC MCU 48LQFP", Manufacturer=STMicroelectronics, Manufacturer Part Number 1=STM32F103C8T6
U200: "USB to UART Interface", Manufacturer=WCH, Manufacturer Part Number 1=CH340G
U201: library part MicroSD, "SD/MMC holder", Manufacturer Part Number 1=SD_CARD
U301: "IC REG LINEAR POS ADJ 150MA 8SON", Manufacturer Part Number 1="IC REG LINEAR POS ADJ 150MA 8SON"
U302 U407: library part S1001-000002, "IC REG LINEAR 3.3V 1A SOT223", Manufacturer=DIODE, Manufacturer Part Number 1=LM1117-3.3
U400: "2.7 V to 5.5 V, Serial-Input, Voltage-Output, 16-/12-Bit nanoDAC in 8-lead 3 mm × 3 mm LFCSP", Manufacturer Part Number 1=AD5541ABCPZ-REEL7
U401 U402 U403 U404 U409 U410: "IC OPAMP GP 1 CIRCUIT SOT23-5", Manufacturer Part Number 1=AD8605
U405: "IC VREF SERIES 0.05% TSOT23-6", Manufacturer Part Number 1=LT6654AIS6-2.5#TRMPBF
U406: library part MAX4617CUE+, "IC MUX 8:1 10OHM 16TSSOP", Manufacturer Part Number 1=MAX4617CUE+T
U408: "No Description Available", Manufacturer Part Number 1=AD4008BCPZ-RL7
X100 X200: library part Xtal_2P_SMD_5P0X3P5_8Mhz, "XTal 8Mhz", Manufacturer=WTL, Manufacturer Part Number 1=WTL5G60391VH
U300: Manufacturer Part Number 1=MP1542

## Via types
v1: diameter 0.6, hole 0.3, Top Layer to Bottom Layer, tented both sides, 382 vias

## Nets (pads, with @x,y where several pads share a name; then routed paths per layer and width w, separated by ;. In a path a pad name is that pad's centre, name@x,y a point inside that pad or via, vN(x,y) a via of type N, cw(c..) or ccw(c..) an arc to the next point about the centre after c; other vN are vias at no path point)
1.8VDC: C413.2 C418.2 U407.2 U407.4 U408.2 | length 56.3
  Top Layer w0.25: U408.2@44.25,10 45.2,10 45.4,9.8 45.4,8.85 C418.2@46.25,8
  Top Layer w0.5: v1(44,4.7) 45.1,4.7 46.25,5.85 C418.2@46.25,8
  Int2 (PWR) w0.5: v1(30,35.2) 30,34 29.5,33.5 28.4,33.5 26.3,31.4 26.3,30 27,29.3 28.9,29.3 30.8,27.4 32.61,27.4 35.71,24.3 41.3,24.3 46.1,19.5 46.1,13.5 46.6,13 46.6,11.625 43.5,8.525 43.5,5.2 v1@43.981,4.719
5VDC: C310.2 C311.2 C312.2 C401.2 C402.2 C403.2 C404.2 C405.2 C406.2 C407.2 C408.2 C415.2 C417.2 C419.2 C420.2 R311.2 R400.2 TP308.1 U301.1 U400.1 U400.4 U401.5 U402.5 U403.5 U404.5 U405.4 U407.3 U408.1 U409.5 U410.5 | length 35.7
  Top Layer w0.25: C415.2@43.75,8 44.3,8.55 44.3,9.5 U408.1@44.25,9.5 ; U400.1@44.435,15.5 44.73,15.5 45.23,15 C404.2@46.75,15 ; U400.4@44.435,17 45.5,17 46,16.5 C405.2@46.75,16.5 C401.2@46.75,18
  Top Layer w0.5: R311.2@27.7,33 27.725,32.975 27.725,31.525 C310.2@27.75,31.5 ; C407.2@39,20.75 C408.2@40.5,20.75 ; U405.4@42.05,20.15 41.1,20.15 C408.2@40.5,20.75 ; C415.2@43.75,8 C419.2@43.75,6.5 v1(44.5,6.5) ; v1(45,21.7) 41.45,21.7 C408.2@40.5,20.75 ; C404.2@46.75,15 46.781,14.969 46.781,14.219 v1(46.8,14.2) ; C401.2@46.75,18 46.781,18.031 46.781,18.781 v1(46.8,18.8) ; v1(47.5,24.5) R400.2@48.2,24.5 ; v1(49,19.4) 49.019,19.419 49.419,19.419 49.95,19.95 U404.5@49.95,20.2 ; v1(50.8,7.8) U410.5@51.55,7.8 ; v1(54.1,18.2) 54.119,18.219 54.969,18.219 C406.2@55,18.25 55.15,18.1 56.65,18.1 U403.5@56.7,18.05 ; v1(55,21.8) C402.2@55,22.75 55.15,22.6 56.65,22.6 U402.5@56.7,22.55 ; U409.5@60.45,5.2 61.45,5.2 C417.2@62,5.75 62.031,5.781 62.881,5.781 v1(62.9,5.8) ; U401.5@66.45,21.7 66.4,21.65 66.4,20.9 66.3,20.8 66.3,20.05 C403.2@66.25,20 v1(67.2,20)
  other v1: 28,30.6 27.3,30.7 33.2,35.3 33.6,35.8
9VDC: C302.2 C308.2 C318.2 D300.2 FB302.1 R300.2 TP303.1 | length 11.8
  Top Layer w0.25: v1(35,37.5) R300.2@35.7,37.5
  Bottom Layer w0.25: v1(35,37.5) 34.5,37 34.5,33.637 36.337,31.8 38.2,31.8 v1(40,30)
AGND: C301.1 C302.1 C305.1 C308.1 C309.1 C311.1 C312.1 C313.1 C317.1 C318.1 C401.1 C402.1 C403.1 C404.1 C405.1 C406.1 C407.1 C408.1 C409.1 C410.1 C411.1 C413.1 C415.1 C416.1 C417.1 C418.1 C419.1 C420.1 FB301.2 R305.1 R306.1 R307.1 R314.1 R401.2 R417.2 TP412.1 U300.4 U301.4 U301.9 U301.10 U301.11 U301.12 U301.13 U400.3 U400.11 U401.2 U402.2 U403.2 U404.2 U405.1 U405.2 U407.1 U408.4 U408.5 U408.11 U409.2 U410.2 | length 43.7
  Top Layer w0.2: U408.11@43,10.5 43.5,11 44.969,11 45.5,11.531 v1(45.5,12.4) ; U408.5@44.25,11.5 44.382,11.5 44.407,11.525 v1(44.407,11.993)
  Top Layer w0.25: U400.11@43,16.5 U400.3@44.435,16.5
  Top Layer w0.5: v1(27,34.5) C413.1@27.75,34.5 ; v1(31.75,33.75) C420.1@31.75,34.5 ; R314.1@33.3,32 v1(34.05,32) ; v1(35,39) R306.1@35.7,39 ; v1(35.5,33.45) R305.1@35.5,34.2 ; v1(36.97,30.22) C308.1@37.5,30.75 ; C313.1@37.25,27.5 v1(38,27.5) ; C309.1@37.25,29 v1(38,29) ; v1(37.85,40) R307.1@37.85,40.7 ; C407.1@39,22.25 v1(39,23.2) ; C408.1@40.5,22.25 v1(40.5,23.2) ; v1(40.7,8.875) 40.719,8.856 41.394,8.856 C415.1@42.25,8 42.219,7.969 42.219,5.719 v1(42.2,5.7) ; U405.2@43,22.85 v1(43,23.8) ; U405.1@43.95,22.85 43.981,22.881 44.781,22.881 v1(44.8,22.9) ; C409.1@46,22.25 v1(46,23) ; v1(47.6,7.1) 47.619,7.119 47.619,7.869 C418.1@47.75,8 ; C416.1@47.75,11 v1(48.5,11) ; C404.1@48.25,15 v1(49,15) ; C405.1@48.25,16.5 v1(49,16.5) ; C401.1@48.25,18 v1(49,18) ; U404.2@49,22.8 v1(49,23.55) ; v1(52,19.9) C411.1@52,20.75 ; v1(52.5,4.2) U410.2@52.5,5.2 ; R401.2@53.3,24 v1(54,24) ; v1(53.5,19.9) C410.1@53.5,20.75 ; v1(54.1,19.3) 54.127,19.3 54.377,19.55 54.8,19.55 C406.1@55,19.75 ; C402.1@55,24.25 v1(55,25) ; R417.2@57,7.3 v1(57,8) ; U403.2@59.3,19 v1(60.3,19) ; U402.2@59.3,23.5 v1(60.3,23.5) ; v1(59.5,6.75) U409.2@59.5,7.8 ; C417.1@62,7.25 62.031,7.281 62.881,7.281 v1(62.9,7.3) ; v1(64,20) C403.1@64.75,20 ; v1(64.5,6.5) 65.26,5.74 65.26,5.24 66,4.5 TP412.1@69.5,4.5 ; U401.2@65.5,24.3 v1(65.5,25.3)
  other v1: 42.481,9.747 43.519,9.747 42.481,11.253 43.519,11.253 42.5,15.7 43.5,15.7 42.5,17.3 43.5,17.3 43.5,28 32.5,28.375 32,29 33,29 43.8,29.4 32.5,29.625 42.5,30 43.5,31 39.1,35.5 40.8,35.9 27.2,36.4 27.2,37.5 41.4,37.7 27.2,38.6 40.9,39.3 41.7,40.4 35.6,41.5 36.5,41.5 40.8,42.2 41.9,42.6 40.7,43.2
BOOT: C203.2 ESP200.25 R205.1 R209.1 S201.1 U200.13 | length 53.4
  Top Layer w0.25: ESP200.25@22.6,51.215 23.985,51.215 24.45,50.75 C203.2@26,50.75 26.025,50.725 27.475,50.725 R209.1@27.5,50.7 27.5,49.7 28.2,49 R205.1@29.2,49 29.2,49.1 29.9,49.8 29.9,51.5 30.7,52.3 v1(31.8,52.3) 33.5,52.3 34.5,53.3 S201.1@34.5,54.9
  Top Layer w0.5: v1(52,32) 52.635,31.365 U200.13@54.15,31.365
  Bottom Layer w0.25: v1(31.8,52.3) 32.6,51.5 40.266,51.5 51.2,40.566 51.2,32.8 v1(52,32)
CE: TP400.1 TP405.1 U401.1 | length 8.9
  Top Layer w0.5: U401.1@66.45,24.3 67.8,24.3 68.6,23.5 68.6,22.198 69.5,21.298 TP405.1@69.5,21 TP400.1@69.5,17.5
CTRL_LED_G: D101.2 U100.27 | length 12.2
  Top Layer w0.2: D101.2@20.7,22.525 20.725,22.5 v1(21.4,22.5)
  Top Layer w0.25: v1(29.7,20.2) 30.25,20.75 U100.27@30.25,21.75
  Bottom Layer w0.25: v1(21.4,22.5) 23.4,22.5 24.4,21.5 29.1,21.5 29.7,20.9 v1(29.7,20.2)
CTRL_LED_R: D100.2 U100.26 | length 15.9
  Top Layer w0.2: D100.2@20.624,25.5 v1(21.4,25.5)
  Top Layer w0.25: v1(30.521,19.523) 30.521,20.221 30.75,20.45 U100.26@30.75,21.75
  Bottom Layer w0.25: v1(21.4,25.5) 21.4,24.9 21.8,24.5 22.07,24.5 24.67,21.9 29.6,21.9 30.521,20.979 v1(30.521,19.523)
D_N: R207.1 U200.6 | length 8.9
  Top Layer w0.381: v1(58.1,33.645) 58.142,33.603 58.297,33.603 58.312,33.587 58.967,33.587 59.285,33.905 U200.6@59.85,33.905 ; v1(61.3,30.125) 61.359,30.125 61.475,30.24 62.041,30.24 62.2,30.4 R207.1@62.2,30.5
  Bottom Layer w0.381: v1(58.1,33.645) 58.142,33.603 58.297,33.603 58.312,33.587 59.004,33.587 59.875,32.716 59.875,30.644 60.452,30.068 61.088,30.068 61.103,30.083 61.258,30.083 v1(61.3,30.125)
D_P: R208.1 U200.5 | length 8.9
  Top Layer w0.381: v1(58.1,32.895) 58.142,32.937 58.297,32.937 58.312,32.952 58.967,32.952 59.285,32.635 U200.5@59.85,32.635 ; v1(61.3,29.375) 61.359,29.375 61.475,29.26 62.041,29.26 62.2,29.1 R208.1@62.2,29
  Bottom Layer w0.381: v1(58.1,32.895) 58.142,32.937 58.297,32.937 58.312,32.952 58.74,32.952 59.24,32.453 59.24,30.381 60.189,29.433 61.088,29.433 61.103,29.417 61.258,29.417 v1(61.3,29.375)
DI5: ESP200.5 MODE200.2 R204.1 | length 38.2
  Top Layer w0.25: ESP200.5@11.17,34.215 11.17,32.93 11.9,32.2 12.354,32.2 12.5,32.054 12.5,31.7 12.9,31.3 R204.1@13,31.3 v1(13,30.6)
  Bottom Layer w0.25: MODE200.2@3,4.75 4.8,6.55 4.8,13.8 5.5,14.5 5.5,29.1 7,30.6 v1(13,30.6)
ESP32_LDAC: ESP200.36 R221.1 | length 2.3
  Top Layer w0.25: ESP200.36@8.63,51.215 8.63,53.03 R221.1@9,53.4
ESP32_SPI_CS1: ESP200.33 R212.1 | length 3
  Top Layer w0.25: ESP200.33@12.44,51.215 12.44,52.54 13.025,53.125 13.025,53.325 13.4,53.7 R212.1@13.5,53.7
ESP32_SPI_CS2: ESP200.37 R213.1 | length 2.5
  Top Layer w0.25: ESP200.37@7.36,51.215 7.36,52.96 7.5,53.1 R213.1@7.5,53.7
ESP32_SPI_MISO: D202.1 ESP200.6 R216.1 U201.7 | length 16.9
  Top Layer w0.25: ESP200.6@12.44,34.215 12.514,34.141 12.514,32.986 13.1,32.4 14.2,32.4 v1(14.5,32.1) R216.1@14.5,31.3 ; U201.7@15.377,23.441 16.441,23.441 17,24 D202.1@17.755,24 17.755,25.145 17.5,25.4 v1(16.7,25.4)
  Bottom Layer w0.25: v1(14.5,32.1) 14.5,30.9 15.1,30.3 15.1,28.1 16.7,26.5 v1(16.7,25.4)
ESP32_SPI_MOSI: D204.1 ESP200.11 R215.1 U201.3 | length 21.8
  Top Layer w0.25: U201.3@15.377,19.041 16.854,19.041 17.755,18.14 D204.1@17.755,18 v1(17.1,18) ; R215.1@18.5,31.3 v1(18.5,32.4) 18.79,32.69 ESP200.11@18.79,34.215
  Bottom Layer w0.25: v1(17.1,18) 17.1,19.5 18,20.4 18,27.9 17.7,28.2 17.7,31.6 v1(18.5,32.4)
ESP32_SPI_SCLK: D203.1 ESP200.10 R214.1 U201.5 | length 18.1
  Top Layer w0.25: U201.5@15.377,21.241 15.538,21.402 16.502,21.402 16.8,21.7 17.095,21.7 17.755,22.36 17.755,22.579 17.55,22.784 16.57,22.784 v1(16.565,22.789) ; R214.1@17,31.3 v1(17,32.2) 17.52,32.72 ESP200.10@17.52,34.215
  Bottom Layer w0.25: v1(16.565,22.789) 16.565,23.765 17.4,24.6 17.4,26.6 16.1,27.9 16.1,31.3 v1(17,32.2)